# Altium PCB robot.PcbDoc (part 2 of 2)
Units mm, origin at the board's own origin, x right, y up, seen from the top; angles counter-clockwise.
Board outline 83.67 x 95.33 mm, 2 copper layers (Top Layer, Bottom Layer); 190 components, 199 nets, 607 pads, 102 vias.
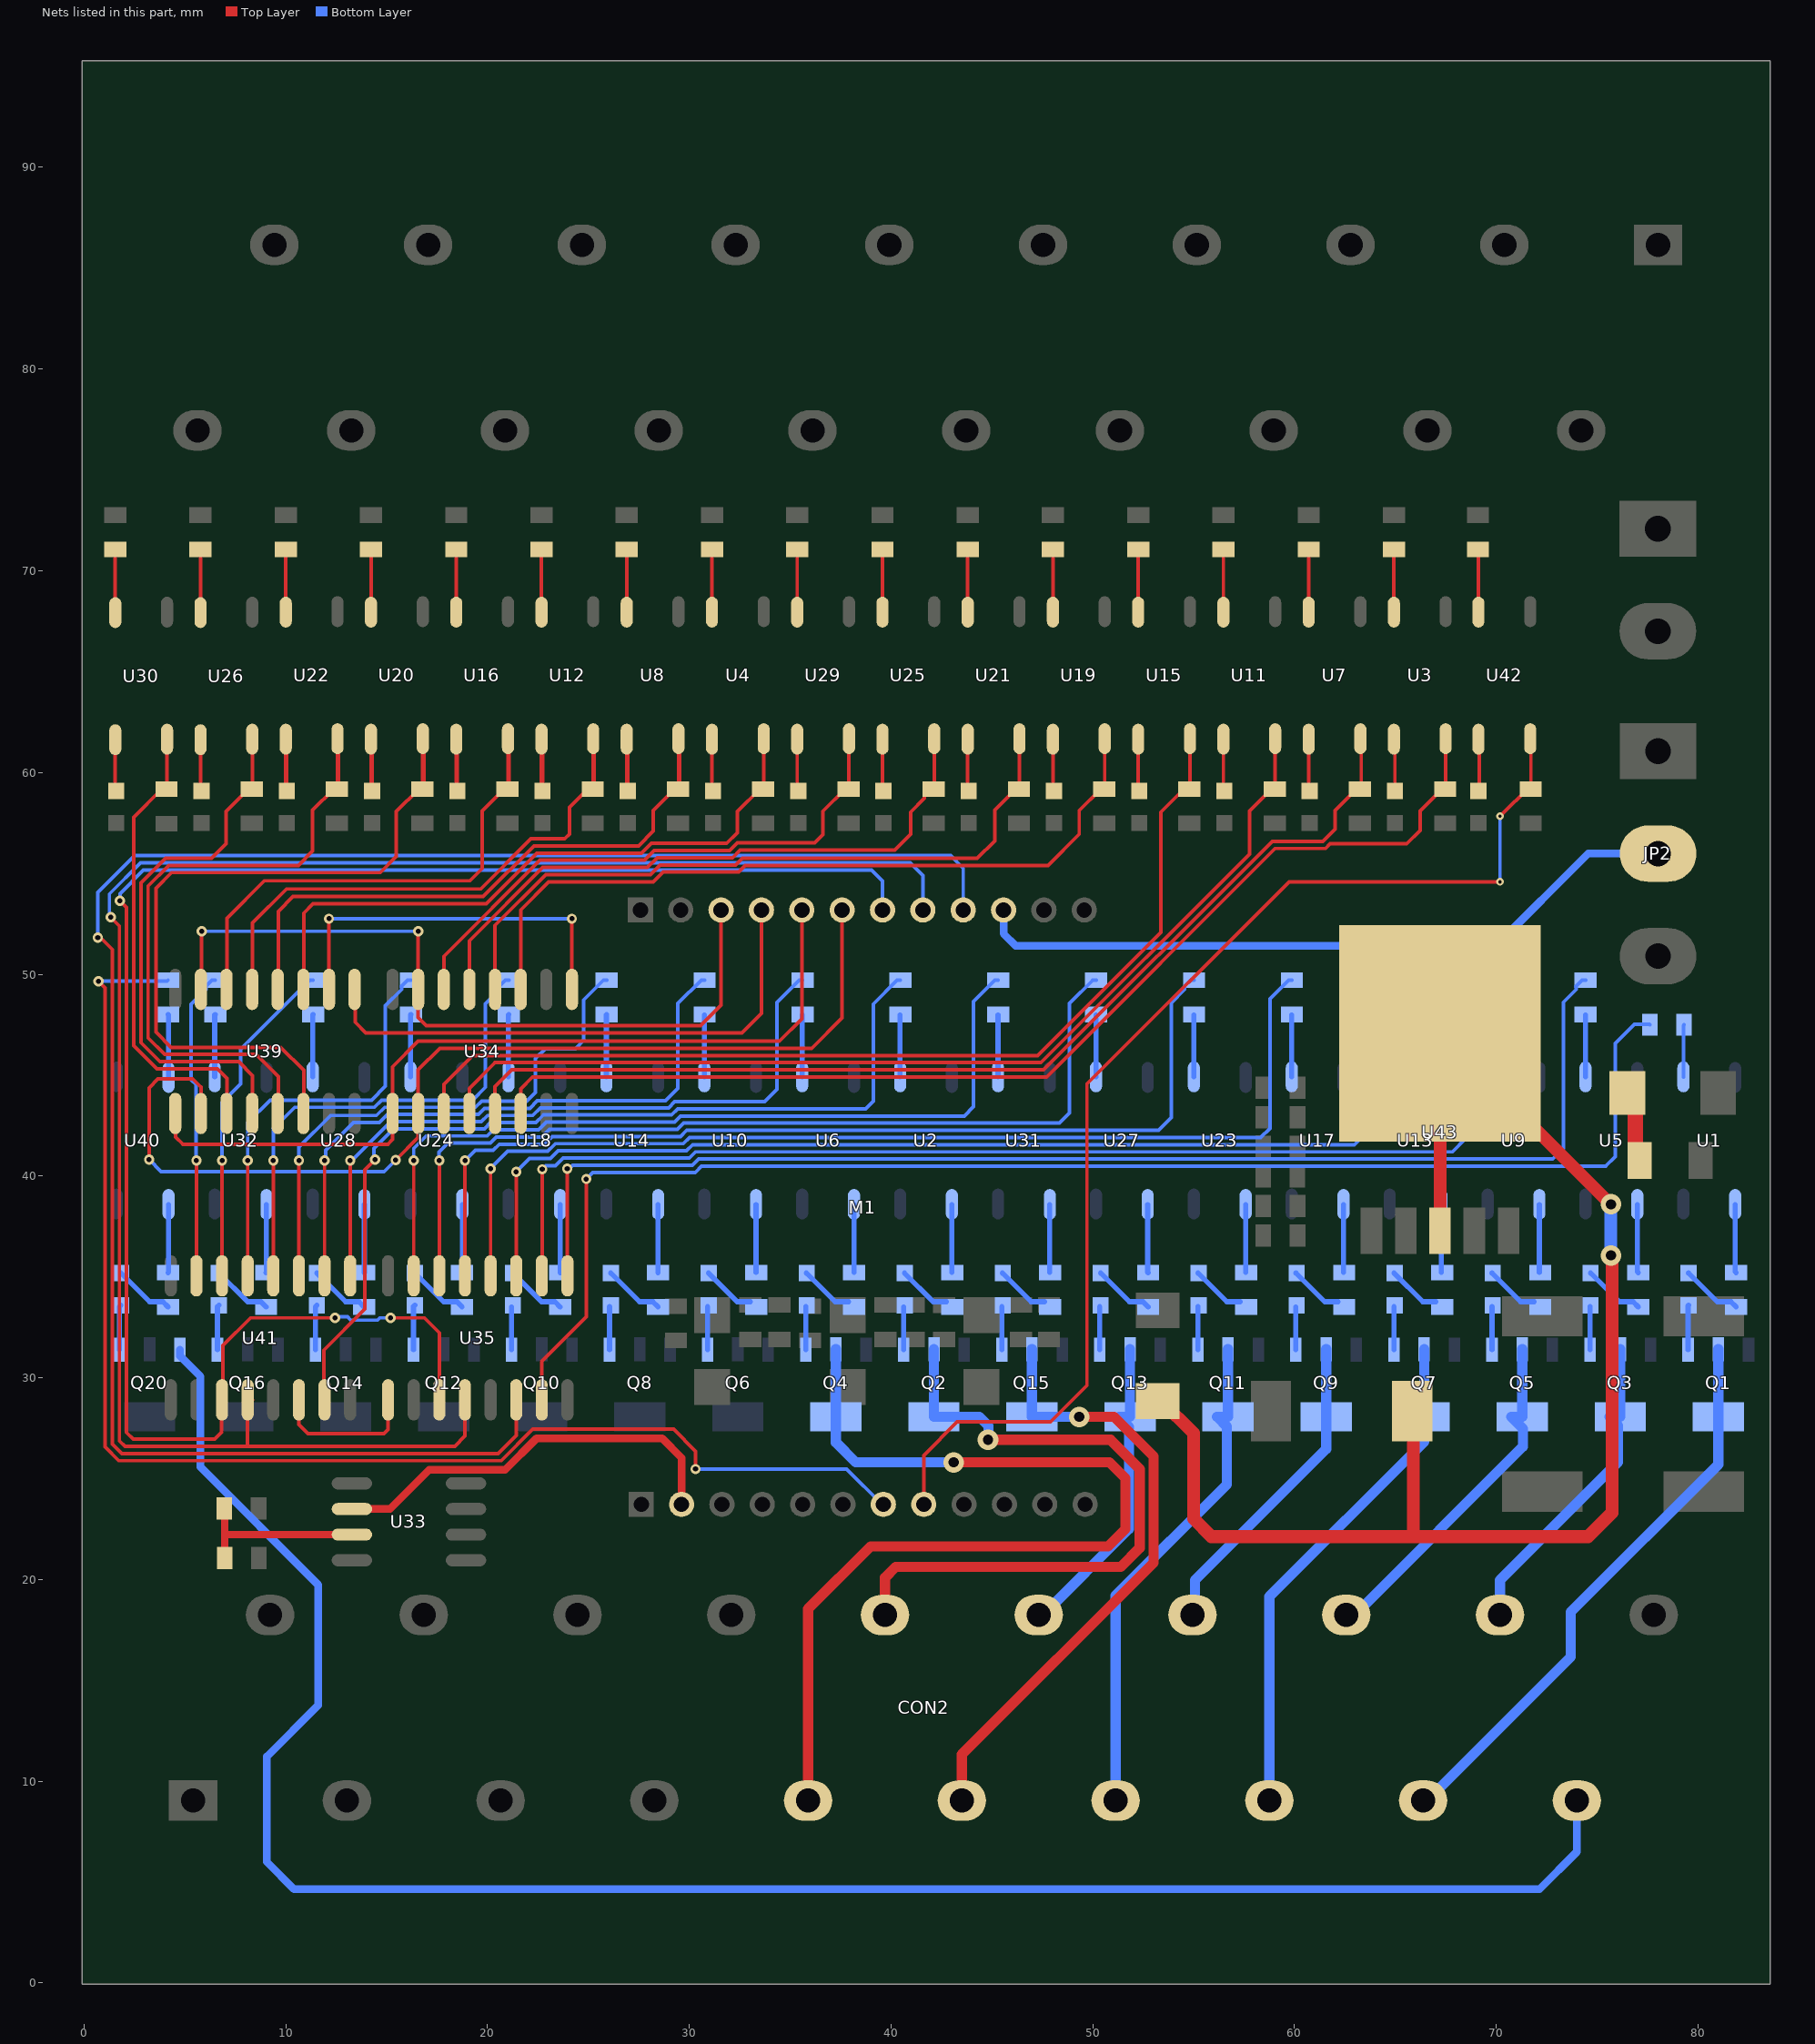
[diagram p2: the nets of this part, all layers, seen from the top]

## Via types
v1: diameter 0.508, hole 0.254, Top Layer to Bottom Layer, tented both sides, 91 vias
v2: diameter 1.016, hole 0.508, Top Layer to Bottom Layer, tented both sides, 8 vias
v3: diameter 0.381, hole 0.178, Top Layer to Bottom Layer, tented both sides, 2 vias
v4: diameter 0.762, hole 0.381, Top Layer to Bottom Layer, tented both sides, 1 vias

## Nets (pads, with @x,y where several pads share a name; then routed paths per layer and width w, separated by ;. In a path a pad name is that pad's centre, name@x,y a point inside that pad or via, vN(x,y) a via of type N, cw(c..) or ccw(c..) an arc to the next point about the centre after c; other vN are vias at no path point) (continued)
NetCON2_9: CON2.9 Q4.2 | length 49.1
  Top Layer w0.508: CON2.9@35.89,9.042 35.89,18.542 38.989,21.641 50.749,21.641 51.613,22.504 51.613,25.019 50.825,25.806 v2(43.104,25.806)
  Bottom Layer w0.508: Q4.2@37.267,31.42 Q4.2@37.267,28.062 37.267,26.792 38.252,25.806 v2(43.104,25.806)
NetCON2_10: CON2.10 Q2.2 | length 34
  Top Layer w0.508: CON2.10@39.7,18.242 39.7,20.091 40.234,20.625 51.384,20.625 52.324,21.565 52.324,25.476 50.876,26.924 v2(44.806,26.924)
  Bottom Layer w0.508: Q2.2@42.126,31.42 Q2.2@42.126,28.062 44.379,28.062 44.831,27.61 v2@44.831,26.949
NetCON2_11: CON2.11 Q15.2 | length 31.2
  Top Layer w0.508: CON2.11@43.51,9.042 43.51,11.328 53.01,20.828 53.01,26.096 51.044,28.062 v2(49.327,28.062)
  Bottom Layer w0.508: Q15.2@46.985,31.42 Q15.2@46.985,28.062 v2(49.327,28.062)
NetCON2_12: CON2.12 Q13.2 | length 15.9
  Bottom Layer w0.508: CON2.12@47.32,18.242 47.52,18.242 51.791,22.513 51.791,27.573 51.302,28.062 Q13.2@51.845,28.062 Q13.2@51.845,31.42
NetCON2_13: CON2.13 Q11.2 | length 25.4
  Bottom Layer w0.508: CON2.13@51.13,9.042 51.13,19.202 56.642,24.714 56.642,27.581 56.161,28.062 Q11.2@56.704,28.062 Q11.2@56.704,31.42
NetCON2_14: CON2.14 Q9.2 | length 15.9
  Bottom Layer w0.508: CON2.14@54.94,18.242 55.067,18.369 55.067,19.964 61.563,26.46 Q9.2@61.563,28.062 Q9.2@61.563,31.42
NetCON2_15: CON2.15 Q7.2 | length 25.6
  Bottom Layer w0.508: CON2.15@58.75,9.042 58.75,19.152 66.423,26.824 Q7.2@66.423,28.062 Q7.2@66.423,31.42
NetCON2_16: CON2.16 Q5.2 | length 17.8
  Bottom Layer w0.508: CON2.16@62.56,18.242 62.972,18.242 71.323,26.594 71.323,27.477 70.739,28.062 Q5.2@71.282,28.062 Q5.2@71.282,31.42
NetCON2_17: CON2.17 Q1.2 | length 28.6
  Bottom Layer w0.508: CON2.17@66.37,9.042 66.57,9.042 73.685,16.158 73.685,18.39 81.001,25.705 Q1.2@81.001,28.062 Q1.2@81.001,31.42
NetCON2_18: CON2.18 Q3.2 | length 16.3
  Bottom Layer w0.508: CON2.18@70.18,18.242 70.18,19.964 76.022,25.806 76.022,27.638 75.598,28.062 Q3.2@76.141,28.062 Q3.2@76.141,31.42
NetCON2_19: CON2.19 Q20.3 | length 98.1
  Bottom Layer w0.381: Q20.3@4.75,31.394 4.75,31.08 5.766,30.064 5.766,25.578 11.608,19.736 11.608,13.767 9.068,11.227 9.068,5.994 10.414,4.648 72.136,4.648 73.99,6.502 CON2.19@73.99,9.042
NetD1_2: D1.2 F1.1 | length 3.6
  Top Layer w0.762: D1.2@76.49,44.12 76.889,43.721 76.889,40.986 F1.1@77.108,40.767
NetD2_2: D2.2 L38.1 U43.3 | length 71.8
  Top Layer w0.635: D2.2@53.213,28.84 53.404,28.84 54.991,27.252 54.991,23.012 55.88,22.123 65.888,22.123 ; L38.1@65.888,28.778 65.888,22.123 ; U43.3@67.208,37.287 U43.3@67.208,47.066 v2(75.679,38.595) ; v2@75.743,35.839 75.743,23.317 74.549,22.123 65.888,22.123
  Bottom Layer w0.635: v2(75.679,36.068) v2(75.679,38.595)
NetJP2_2: JP2.2 M1.22 | length 35.8
  Bottom Layer w0.381: M1.22@45.576,53.188 45.576,52.011 46.177,51.41 69.977,51.41 74.549,55.982 JP2.2@78.015,55.982
NetL1_1: L1.1 R5.1 | length 3.1
  Bottom Layer w0.254: L1.1@79.527,35.192 80.952,33.768 81.631,33.768 R5.1@81.889,33.509
NetL1_2: L1.2 Q1.1 | length 2.2
  Bottom Layer w0.254: Q1.1@79.502,31.394 79.502,33.566 L1.2@79.527,33.592
NetL2_1: L2.1 R6.1 | length 2.7
  Bottom Layer w0.254: L2.1@40.662,35.192 42.086,33.768 R6.1@42.745,33.768
NetL2_2: L2.2 Q2.1 | length 2.1
  Bottom Layer w0.254: Q2.1@40.627,31.394 L2.2@40.627,33.516
NetL3_1: L3.1 U3.3 | length 2.5
  Top Layer w0.178: L3.1@64.973,59.093 U3.3@64.973,61.603
NetL4_1: L4.1 U4.3 | length 2.6
  Top Layer w0.178: U4.3@31.123,61.653 31.123,59.144 L4.1@31.174,59.093
NetL5_1: L5.1 R11.1 | length 3.1
  Bottom Layer w0.254: L5.1@74.671,35.192 76.095,33.768 76.773,33.768 R11.1@77.032,33.509
NetL5_2: L5.2 Q3.1 | length 2.1
  Bottom Layer w0.254: Q3.1@74.643,31.394 L5.2@74.643,33.525
NetL6_1: L6.1 R12.1 | length 2.7
  Bottom Layer w0.254: L6.1@35.806,35.192 37.23,33.768 R12.1@37.887,33.768
NetL6_2: L6.2 Q4.1 | length 2.1
  Bottom Layer w0.254: Q4.1@35.768,31.394 L6.2@35.768,33.525
NetL7_1: L7.1 U7.3 | length 2.6
  Top Layer w0.178: U7.3@60.698,61.653 60.698,59.144 L7.1@60.748,59.093
NetL8_1: L8.1 U8.3 | length 5.2
  Top Layer w0.178: U8.3@26.899,61.653 26.899,59.144 L8.1@26.949,59.093 ; U8.3@26.949,61.603 L8.1@26.949,59.093 ; L8.1@27,59.042 L8.1@26.949,59.093
NetL9_1: L9.1 R21.1 | length 2.7
  Bottom Layer w0.254: L9.1@69.783,35.192 71.207,33.768 R21.1@71.868,33.768
NetL9_2: L9.2 Q5.1 | length 2.1
  Bottom Layer w0.254: Q5.1@69.783,31.394 L9.2@69.783,33.522
NetL10_1: L10.1 R22.1 | length 2.7
  Bottom Layer w0.254: L10.1@30.95,35.192 32.374,33.768 R22.1@33.029,33.768
NetL10_2: L10.2 Q6.1 | length 2.1
  Bottom Layer w0.254: Q6.1@30.909,31.394 L10.2@30.909,33.522
NetL11_1: L11.1 U11.3 | length 2.6
  Top Layer w0.178: U11.3@56.473,61.653 56.473,59.144 L11.1@56.523,59.093
NetL12_1: L12.1 U12.3 | length 5.2
  Top Layer w0.178: U12.3@22.674,61.653 22.674,59.144 L12.1@22.725,59.093 ; U12.3@22.725,61.603 L12.1@22.725,59.093 ; L12.1@22.775,59.042 L12.1@22.725,59.093
NetL13_1: L13.1 R29.1 | length 2.7
  Bottom Layer w0.254: L13.1@64.927,35.192 66.351,33.768 R29.1@67.01,33.768
NetL13_2: L13.2 Q7.1 | length 2.1
  Bottom Layer w0.254: Q7.1@64.924,31.394 L13.2@64.924,33.519
NetL14_1: L14.1 R30.1 | length 3
  Bottom Layer w0.254: L14.1@26.11,35.192 27.534,33.768 28.195,33.768 R30.1@28.454,33.509
NetL14_2: L14.2 Q8.1 | length 2.1
  Bottom Layer w0.254: Q8.1@26.049,31.394 L14.2@26.049,33.519
NetL15_1: L15.1 U15.3 | length 2.6
  Top Layer w0.178: U15.3@52.248,61.653 52.248,59.144 L15.1@52.299,59.093
NetL16_1: L16.1 U16.3 | length 5.2
  Top Layer w0.178: U16.3@18.449,61.653 18.449,59.144 L16.1@18.5,59.093 ; U16.3@18.5,61.603 L16.1@18.5,59.093 ; L16.1@18.55,59.042 L16.1@18.5,59.093
NetL17_1: L17.1 R37.1 | length 2.7
  Bottom Layer w0.254: L17.1@60.071,35.192 61.495,33.768 R37.1@62.152,33.768
NetL17_2: L17.2 Q9.1 | length 2.1
  Bottom Layer w0.254: Q9.1@60.065,31.394 L17.2@60.065,33.516
NetL18_1: L18.1 R38.1 | length 3
  Bottom Layer w0.254: L18.1@21.253,35.192 22.678,33.768 23.338,33.768 R38.1@23.596,33.509
NetL18_2: L18.2 Q10.1 | length 2.1
  Bottom Layer w0.254: Q10.1@21.19,31.394 L18.2@21.19,33.516
NetL19_1: L19.1 U19.3 | length 2.6
  Top Layer w0.178: U19.3@48.023,61.653 48.023,59.144 L19.1@48.074,59.093
NetL20_1: L20.1 U20.3 | length 5.2
  Top Layer w0.178: U20.3@14.224,61.653 14.224,59.144 L20.1@14.275,59.093 ; U20.3@14.275,61.603 L20.1@14.275,59.093 ; L20.1@14.326,59.042 L20.1@14.275,59.093
NetL21_1: L21.1 U21.3 | length 2.6
  Top Layer w0.178: U21.3@43.798,61.653 43.798,59.144 L21.1@43.849,59.093
NetL22_1: L22.1 U22.3 | length 5.2
  Top Layer w0.178: U22.3@9.999,61.653 9.999,59.144 L22.1@10.05,59.093 ; U22.3@10.05,61.603 L22.1@10.05,59.093 ; L22.1@10.101,59.042 L22.1@10.05,59.093
NetL23_1: L23.1 R47.1 | length 2.7
  Bottom Layer w0.254: L23.1@55.215,35.192 56.639,33.768 R47.1@57.294,33.768
NetL23_2: L23.2 Q11.1 | length 2.1
  Bottom Layer w0.254: Q11.1@55.205,31.394 L23.2@55.205,33.525
NetL24_1: L24.1 R48.1 | length 3
  Bottom Layer w0.254: L24.1@16.397,35.192 17.821,33.768 18.48,33.768 R48.1@18.739,33.509
NetL24_2: L24.2 Q12.1 | length 2.2
  Bottom Layer w0.254: Q12.1@16.331,31.394 16.331,33.525 L24.2@16.397,33.592
NetL25_1: L25.1 U25.3 | length 2.6
  Top Layer w0.178: U25.3@39.573,61.653 39.573,59.144 L25.1@39.624,59.093
NetL26_1: L26.1 U26.3 | length 2.6
  Top Layer w0.178: U26.3@5.774,61.653 5.774,59.144 L26.1@5.825,59.093
NetL27_1: L27.1 R55.1 | length 3
  Bottom Layer w0.254: L27.1@50.39,35.192 51.815,33.768 52.484,33.768 R55.1@52.743,33.509
NetL27_2: L27.2 Q13.1 | length 2.1
  Bottom Layer w0.254: Q13.1@50.346,31.394 L27.2@50.346,33.522
NetL28_1: L28.1 R56.1 | length 3
  Bottom Layer w0.254: L28.1@11.541,35.192 12.965,33.768 13.622,33.768 R56.1@13.881,33.509
NetL28_2: L28.2 Q14.1 | length 2.2
  Bottom Layer w0.254: Q14.1@11.471,31.394 11.471,33.522 L28.2@11.541,33.592
NetL29_1: L29.1 U29.3 | length 2.6
  Top Layer w0.178: U29.3@35.348,61.653 35.348,59.144 L29.1@35.399,59.093
NetL30_1: L30.1 U30.3 | length 2.6
  Top Layer w0.178: U30.3@1.549,61.653 1.549,59.144 L30.1@1.6,59.093
NetL31_1: L31.1 R63.1 | length 2.7
  Bottom Layer w0.254: L31.1@45.518,35.192 46.942,33.768 R63.1@47.603,33.768
NetL31_2: L31.2 Q15.1 | length 2.1
  Bottom Layer w0.254: Q15.1@45.487,31.394 L31.2@45.487,33.519
NetL32_1: L32.1 R64.1 | length 3.5
  Bottom Layer w0.178: L32.1@6.685,35.192 L32.1@6.996,35.503
  Bottom Layer w0.254: L32.1@6.685,35.192 8.109,33.768 8.764,33.768 R64.1@9.023,33.509
NetL32_2: L32.2 Q16.1 | length 2.2
  Bottom Layer w0.254: Q16.1@6.612,31.394 6.612,33.519 L32.2@6.685,33.592
NetL36_1: L36.1 R72.1 | length 3
  Bottom Layer w0.254: L36.1@1.829,35.192 3.253,33.768 3.907,33.768 R72.1@4.165,33.509
NetL36_2: L36.2 Q20.1 | length 2.2
  Bottom Layer w0.254: Q20.1@1.753,31.394 1.753,33.516 L36.2@1.829,33.592
NetL37_1: L37.1 U42.3 | length 2.5
  Top Layer w0.178: L37.1@69.147,59.068 U42.3@69.147,61.577
NetM1_2: M1.2 U33.2 | length 20.5
  Top Layer w0.381: U33.2@13.277,23.495 15.164,23.495 17.102,25.433 20.868,25.433 22.428,26.993 28.658,26.993 29.617,26.034 M1.2@29.617,23.724
NetM1_7: M1.7 R71.2 | length 68.5
  Top Layer w0.178: v1(0.711,49.657) 1.041,49.327 1.041,26.574 1.724,25.89 20.678,25.89 22.238,27.45 29.217,27.45 30.31,26.357 v1(30.31,25.476) ; M1.7@39.617,23.463 M1.7@39.617,23.724
  Bottom Layer w0.178: v1(0.711,49.657) 4.115,49.657 R71.2@4.166,49.708 ; v1(30.31,25.476) 37.795,25.476 39.548,23.724 M1.7@39.617,23.724
NetM1_8: M1.8 R73.2 U42.4 | length 59.1
  Top Layer w0.178: M1.8@41.617,23.724 41.617,26.149 43.282,27.813 47.904,27.813 49.708,29.616 49.708,44.569 59.724,54.585 v3(70.18,54.585) ; 70.333,57.975 71.54,59.182 R73.2@71.704,59.182 ; R73.2@71.713,59.131 U42.4@71.713,61.603
  Bottom Layer w0.178: v3(70.18,54.585) v3(70.18,57.836)
NetM1_15: M1.15 U34.15 U39.15 | length 38.2
  Top Layer w0.178: U39.15@5.791,49.252 5.829,49.29 v1(5.829,52.133) ; v1@16.561,52.095 U34.15@16.561,49.252 16.561,47.854 16.967,47.447 30.556,47.447 31.576,48.467 M1.15@31.576,53.188
  Bottom Layer w0.178: v1(5.829,52.133) 16.523,52.133 v1@16.561,52.095
  other v1: 16.561,52.133
NetM1_16: M1.16 U39.9 | length 27.5
  Top Layer w0.178: U39.9@13.437,49.252 13.437,47.625 13.97,47.092 32.614,47.092 33.576,48.054 M1.16@33.576,53.188
NetM1_17: M1.17 U34.1 U39.1 | length 42.4
  Top Layer w0.178: U39.1@4.547,43.102 4.547,41.926 4.893,41.58 15.062,41.58 15.291,41.808 U34.1@15.291,43.102 15.291,45.415 16.561,46.685 34.468,46.685 35.576,47.793 M1.17@35.576,53.188
NetM1_18: M1.18 U34.2 U39.2 | length 53
  Top Layer w0.178: v1(3.226,40.818) 3.226,44.374 3.659,44.807 5.385,44.807 5.791,44.401 U39.2@5.791,43.102 U39.2@5.791,42.951 ; v1(15.446,40.792) 16.561,41.907 U34.2@16.561,43.102 16.561,45.263 17.628,46.33 36.068,46.33 37.576,47.837 M1.18@37.576,53.188
  Bottom Layer w0.178: v1(3.226,40.818) 3.823,40.221 14.874,40.221 v1(15.446,40.792)
NetM1_19: M1.19 U35.11 U41.11 | length 91
  Top Layer w0.178: v1(1.778,53.645) 2.108,53.315 2.108,27.287 2.438,26.957 6.467,26.957 6.815,27.305 U41.11@6.815,28.632 ; U41.11@6.883,28.953 6.883,31.598 8.255,32.969 v1(12.446,32.969) ; v1@15.189,32.817 15.342,32.969 16.866,32.969 17.611,32.224 U35.11@17.611,28.904 ; M1.19@39.576,53.188 M1.19@39.624,53.139
  Bottom Layer w0.178: v1(1.778,53.645) 1.778,54 2.946,55.169 39.04,55.169 39.576,54.633 M1.19@39.576,53.188 ; v1(12.446,32.969) 12.497,33.02 13.057,33.02 13.22,32.857 14.541,32.857 14.654,32.969 15.077,32.969 v1@15.189,32.857
  other v1: 15.189,32.969
NetM1_20: M1.20 U35.12 U41.12 | length 91.9
  Top Layer w0.178: v1(1.321,52.832) 1.753,52.4 1.753,26.878 2.029,26.602 8.103,26.602 ; U41.12@8.357,28.904 8.103,28.65 8.103,26.602 ; U35.12@18.881,28.904 18.881,27.11 18.372,26.602 8.103,26.602
  Bottom Layer w0.178: v1(1.321,52.832) 1.257,52.895 1.257,53.983 2.799,55.524 40.945,55.524 41.576,54.894 M1.20@41.576,53.188
NetM1_21: M1.21 U35.14 | length 96
  Top Layer w0.178: v1(0.686,51.816) 0.813,51.816 1.397,51.232 1.397,26.721 1.872,26.246 20.531,26.246 21.421,27.136 U35.14@21.421,28.904
  Bottom Layer w0.178: v1(0.686,51.816) 0.686,54.051 2.515,55.88 42.951,55.88 43.576,55.256 M1.21@43.576,53.188
NetR1_1: R1.1 U1.1 | length 2.6
  Bottom Layer w0.178: U1.1@79.273,44.915 79.273,47.463 R1.1@79.308,47.498
NetR1_2: R1.2 U35.15 | length 71.1
  Top Layer w0.178: U35.15@22.691,28.904 22.691,30.819 24.892,33.02 v1(24.892,39.853)
  Bottom Layer w0.178: v1(24.892,39.853) 25.22,40.181 30.298,40.181 30.605,40.488 75.413,40.488 75.895,40.97 75.895,46.584 76.835,47.523 77.581,47.523 R1.2@77.607,47.498
NetR2_1: R2.1 U2.1 | length 3.1
  Bottom Layer w0.254: U2.1@40.45,44.915 R2.1@40.45,47.985
NetR2_2: R2.2 U41.15 | length 45.9
  Top Layer w0.178: U41.15@11.887,28.953 11.887,31.369 13.919,33.401 13.919,40.308 v1(14.427,40.816)
  Bottom Layer w0.178: v1@14.376,40.742 14.376,41.377 15.341,42.342 19.842,42.342 20.147,42.647 22.387,42.647 22.767,43.026 29.12,43.026 29.426,43.332 38.735,43.332 39.116,43.713 39.116,48.526 40.298,49.708 R2.2@40.462,49.708
NetR3_2: R3.2 U3.4 U34.6 | length 56.2
  Top Layer w0.178: U34.6@21.641,43.102 21.641,44.323 22.225,44.907 47.711,44.907 59.04,56.236 61.539,56.236 61.768,56.464 65.557,56.464 66.218,57.125 66.218,58.102 67.298,59.182 R3.2@67.463,59.182 ; R3.2@67.488,59.157 U3.4@67.488,61.628
NetR4_2: R4.2 U4.4 U39.11 | length 32.2
  Top Layer w0.178: U39.11@10.897,49.252 10.897,53.035 11.354,53.492 19.929,53.492 22.443,56.007 27.63,56.007 28.113,56.49 31.852,56.49 32.385,57.023 32.385,58.068 33.499,59.182 R4.2@33.664,59.182 33.689,59.207 U4.4@33.689,61.679
NetR5_2: R5.2 U1.3 | length 3.4
  Bottom Layer w0.254: U1.3@81.839,38.59 81.839,35.261 R5.2@81.889,35.211
NetR6_2: R6.2 U2.3 | length 3.4
  Bottom Layer w0.254: R6.2@43.015,35.222 U2.3@43.015,38.59
NetR7_1: R7.1 U3.2 | length 3.1
  Top Layer w0.178: U3.2@64.922,67.953 R7.1@64.923,71.06
NetR8_1: R8.1 U4.2 | length 3.1
  Top Layer w0.178: U4.2@31.123,67.953 R8.1@31.124,71.06
NetR9_1: R9.1 U5.1 | length 3.1
  Bottom Layer w0.254: U5.1@74.42,44.915 R9.1@74.42,47.989
NetR9_2: R9.2 U35.1 | length 64
  Top Layer w0.178: v1(23.952,40.361) 23.956,40.356 23.956,35.058 U35.1@23.961,35.054
  Bottom Layer w0.178: v1(23.952,40.361) 24.042,40.361 24.217,40.536 30.151,40.536 30.457,40.843 72.796,40.843 73.33,41.377 73.33,48.616 73.961,49.247 73.961,49.411 74.258,49.708 R9.2@74.422,49.708
NetR10_1: R10.1 U6.1 | length 3.1
  Bottom Layer w0.254: U6.1@35.597,44.915 R10.1@35.597,47.984
NetR10_2: R10.2 U41.1 | length 34.4
  Top Layer w0.178: U41.1@13.191,35.054 v1(13.191,40.767)
  Bottom Layer w0.178: v1(13.191,40.767) 13.264,40.767 15.194,42.697 19.695,42.697 20,43.002 22.24,43.002 22.619,43.381 28.972,43.381 29.279,43.688 33.731,43.688 34.341,44.298 34.341,48.602 35.447,49.708 R10.2@35.611,49.708
NetR11_2: R11.2 U5.3 | length 3.4
  Bottom Layer w0.254: U5.3@76.986,38.59 76.986,35.257 R11.2@77.032,35.211
NetR12_2: R12.2 U6.3 | length 3.4
  Bottom Layer w0.254: R12.2@38.162,35.227 U6.3@38.162,38.59
NetR13_2: R13.2 U7.4 U34.5 | length 53.3
  Top Layer w0.178: U34.5@20.371,43.102 20.371,44.425 21.209,45.263 47.564,45.263 58.892,56.591 61.392,56.591 62.001,57.201 62.001,58.11 63.073,59.182 R13.2@63.238,59.182 ; R13.2@63.305,59.207 U7.4@63.305,61.679
NetR14_2: R14.2 U8.4 U39.12 | length 31.8
  Top Layer w0.178: U39.12@9.627,49.252 9.627,53.111 10.363,53.848 19.781,53.848 22.296,56.363 27.483,56.363 28.219,57.099 28.219,58.127 29.274,59.182 R14.2@29.439,59.182 29.464,59.207 U8.4@29.464,61.679 ; R14.2@29.515,59.157 U8.4@29.515,61.628
NetR15_1: R15.1 U7.2 | length 3.1
  Top Layer w0.178: U7.2@60.698,67.953 R15.1@60.698,71.06
NetR16_1: R16.1 U8.2 | length 3.1
  Top Layer w0.178: U8.2@26.899,67.953 R16.1@26.899,71.06
NetR17_1: R17.1 U9.1 | length 3.1
  Bottom Layer w0.254: U9.1@69.567,44.915 R17.1@69.567,47.987
NetR17_2: R17.2 U35.2 | length 60.1
  Top Layer w0.178: U35.2@22.691,35.054 22.631,35.113 22.708,35.189 v1(22.708,40.335)
  Bottom Layer w0.178: v1(22.708,40.335) 22.885,40.513 23.368,40.513 23.747,40.892 30.003,40.892 30.31,41.199 67.818,41.199 68.504,41.885 68.504,48.641 69.11,49.247 69.11,49.411 69.406,49.708 R17.2@69.571,49.708
NetR18_1: R18.1 U10.1 | length 3.1
  Bottom Layer w0.254: U10.1@30.744,44.915 R18.1@30.744,47.982
NetR18_2: R18.2 U41.2 | length 31
  Top Layer w0.178: U41.2@11.921,35.054 v1(11.921,40.767)
  Bottom Layer w0.178: v1(11.921,40.767) 11.984,40.83 11.984,41.271 13.36,42.647 14.64,42.647 15.047,43.053 19.548,43.053 19.853,43.358 22.093,43.358 22.472,43.737 28.825,43.737 29.439,44.35 29.439,48.551 30.595,49.708 R18.2@30.759,49.708
NetR19_2: R19.2 U11.4 U34.4 | length 51.1
  Top Layer w0.178: U34.4@19.101,43.102 19.101,44.348 20.371,45.618 47.417,45.618 57.76,55.961 57.76,58.093 58.849,59.182 R19.2@59.013,59.182 59.038,59.207 U11.4@59.038,61.679
NetR20_2: R20.2 U12.4 U39.13 | length 28.7
  Top Layer w0.178: U39.13@8.357,49.252 8.357,52.544 10.041,54.229 19.66,54.229 22.149,56.718 23.825,56.718 24.054,56.947 24.054,58.268 24.968,59.182 R20.2@25.214,59.182 ; R20.2@25.214,59.172 25.239,59.198 U12.4@25.239,61.679 ; R20.2@25.265,59.131 25.29,59.157 U12.4@25.29,61.628
NetR21_2: R21.2 U9.3 | length 3.4
  Bottom Layer w0.254: R21.2@72.133,35.217 U9.3@72.133,38.59
NetR22_2: R22.2 U10.3 | length 3.4
  Bottom Layer w0.254: R22.2@33.309,35.232 U10.3@33.309,38.59
NetR23_1: R23.1 U11.2 | length 3.1
  Top Layer w0.178: U11.2@56.473,67.953 R23.1@56.473,71.06
NetR24_1: R24.1 U12.2 | length 3.1
  Top Layer w0.178: U12.2@22.674,67.953 R24.1@22.674,71.06
NetR25_1: R25.1 U13.1 | length 3.1
  Bottom Layer w0.254: U13.1@64.714,44.915 R25.1@64.714,47.985
NetR25_2: R25.2 U35.3 | length 56.2
  Top Layer w0.178: U35.3@21.421,35.054 v1(21.421,40.208)
  Bottom Layer w0.178: v1(21.421,40.208) 22.081,40.869 23.124,40.869 23.503,41.248 29.856,41.248 30.163,41.554 62.967,41.554 63.602,42.189 63.602,48.59 64.258,49.247 64.258,49.411 64.555,49.708 R25.2@64.719,49.708
NetR26_1: R26.1 U14.1 | length 3.1
  Bottom Layer w0.254: U14.1@25.891,44.915 25.891,47.989 R26.1@25.908,48.006
NetR26_2: R26.2 U41.3 | length 27.2
  Top Layer w0.178: U41.3@10.651,35.054 v1(10.651,40.767)
  Bottom Layer w0.178: v1(10.651,40.767) 10.651,41.436 12.217,43.002 14.493,43.002 14.9,43.409 19.4,43.409 19.705,43.713 21.946,43.713 22.377,44.145 22.377,45.822 22.86,46.304 24.348,46.304 24.765,46.721 24.765,48.729 25.744,49.708 R26.2@25.908,49.708
NetR27_2: R27.2 U15.4 U34.3 | length 50.9
  Top Layer w0.178: U34.3@17.831,43.102 17.831,44.552 19.253,45.974 47.269,45.974 53.365,52.07 53.365,58.039 54.788,59.462 R27.2@54.788,59.182 54.813,59.207 U15.4@54.813,61.679
NetR28_2: R28.2 U16.4 U39.14 | length 26.8
  Top Layer w0.178: U39.14@7.087,49.252 7.087,52.781 8.941,54.635 19.126,54.635 19.736,55.245 19.736,58.093 20.825,59.182 R28.2@20.989,59.182 21.014,59.207 U16.4@21.014,61.679 ; R28.2@21.04,59.131 21.065,59.157 U16.4@21.065,61.628
NetR29_2: R29.2 U13.3 | length 3.4
  Bottom Layer w0.254: R29.2@67.28,35.222 U13.3@67.28,38.59
NetR30_2: R30.2 U14.3 | length 3.4
  Bottom Layer w0.254: R30.2@28.454,35.211 28.456,35.213 U14.3@28.456,38.59
NetR31_1: R31.1 U15.2 | length 3.1
  Top Layer w0.178: U15.2@52.248,67.953 R31.1@52.248,71.06
NetR32_1: R32.1 U16.2 | length 3.1
  Top Layer w0.178: U16.2@18.449,67.953 R32.1@18.449,71.06
NetR33_2: R33.2 U19.4 U34.11 | length 38.5
  Top Layer w0.178: U34.11@21.641,49.252 21.641,53.193 23.033,54.585 28.219,54.585 28.702,55.067 32.441,55.067 32.771,55.397 47.78,55.397 49.327,56.944 49.327,58.11 50.399,59.182 R33.2@50.563,59.182 50.588,59.207 U19.4@50.588,61.679
NetR34_2: R34.2 U20.4 U39.6 | length 38.9
  Top Layer w0.178: 3.569,47.13 4.318,46.38 9.754,46.38 10.897,45.237 U39.6@10.897,43.102 ; 3.569,47.155 3.569,54.267 4.343,55.042 14.679,55.042 15.482,55.845 15.482,58.064 16.6,59.182 R34.2@16.764,59.182 16.789,59.207 U20.4@16.789,61.679 ; R34.2@16.84,59.157 U20.4@16.84,61.628
NetR35_1: R35.1 U17.1 | length 3.1
  Bottom Layer w0.254: U17.1@59.861,44.915 R35.1@59.861,47.984
NetR35_2: R35.2 U35.4 | length 52.7
  Top Layer w0.178: U35.4@20.151,35.054 v1(20.151,40.361)
  Bottom Layer w0.178: v1(20.151,40.361) 20.142,40.369 20.997,41.224 22.977,41.224 23.356,41.603 29.709,41.603 30.016,41.91 58.318,41.91 58.776,42.367 58.776,48.78 59.704,49.708 R35.2@59.868,49.708
NetR36_1: R36.1 U18.1 | length 3.1
  Bottom Layer w0.254: U18.1@21.038,44.915 21.038,47.987 R36.1@21.057,48.006
NetR36_2: R36.2 U41.4 | length 24.5
  Top Layer w0.178: U41.4@9.381,35.054 v1(9.381,40.767)
  Bottom Layer w0.178: v1(9.381,40.767) 9.381,42.35 10.439,43.409 14.397,43.409 14.752,43.764 19.253,43.764 19.888,44.399 19.888,48.539 20.596,49.247 20.596,49.411 20.892,49.708 R36.2@21.057,49.708
NetR37_2: R37.2 U17.3 | length 3.4
  Bottom Layer w0.254: R37.2@62.427,35.227 U17.3@62.427,38.59
NetR38_2: R38.2 U18.3 | length 3.4
  Bottom Layer w0.254: R38.2@23.596,35.211 23.603,35.217 U18.3@23.603,38.59
NetR39_1: R39.1 U19.2 | length 3.1
  Top Layer w0.178: U19.2@48.023,67.953 R39.1@48.023,71.06
NetR40_1: R40.1 U20.2 | length 3.1
  Top Layer w0.178: U20.2@14.224,67.953 R40.1@14.224,71.06
NetR41_2: R41.2 U21.4 U34.12 | length 35.4
  Top Layer w0.178: U34.12@20.371,49.252 20.371,52.426 22.885,54.94 28.072,54.94 28.555,55.423 32.293,55.423 32.624,55.753 44.272,55.753 45.136,56.617 45.136,58.144 46.174,59.182 R41.2@46.338,59.182 ; R41.2@46.338,59.172 46.363,59.198 U21.4@46.363,61.679
NetR42_2: R42.2 U22.4 U39.5 | length 34.1
  Top Layer w0.178: U39.5@9.627,43.102 9.627,44.933 8.534,46.025 3.988,46.025 3.175,46.838 3.175,54.381 4.191,55.397 10.617,55.397 11.328,56.109 11.328,58.136 12.375,59.182 R42.2@12.539,59.182 12.565,59.207 U22.4@12.565,61.679 ; R42.2@12.615,59.147 U22.4@12.615,61.628
NetR43_1: R43.1 U23.1 | length 3.1
  Bottom Layer w0.254: U23.1@55.008,44.915 R43.1@55.008,47.982
NetR43_2: R43.2 U35.5 | length 49
  Top Layer w0.178: U35.5@18.872,35.062 U35.5@18.881,35.054 v1(18.881,40.767)
  Bottom Layer w0.178: v1(18.881,40.767) 19.389,41.275 20.284,41.275 20.589,41.58 22.829,41.58 23.208,41.959 29.562,41.959 29.868,42.266 53.264,42.266 53.899,42.901 53.899,48.59 54.555,49.247 54.555,49.411 54.852,49.708 R43.2@55.016,49.708
NetR44_1: R44.1 U24.1 | length 3.1
  Bottom Layer w0.254: U24.1@16.185,44.915 16.185,47.985 R44.1@16.205,48.006
NetR44_2: R44.2 U41.5 | length 21
  Top Layer w0.178: U41.5@8.111,35.054 v1(8.111,40.767)
  Bottom Layer w0.178: v1(8.111,40.767) 8.111,42.655 9.22,43.764 14.249,43.764 14.935,44.45 14.935,48.438 15.744,49.247 15.744,49.411 16.041,49.708 R44.2@16.205,49.708
NetR45_1: R45.1 U21.2 | length 3.1
  Top Layer w0.178: U21.2@43.798,67.953 R45.1@43.798,71.06
NetR46_1: R46.1 U22.2 | length 3.1
  Top Layer w0.178: U22.2@9.999,67.953 R46.1@9.999,71.06
NetR47_2: R47.2 U23.3 | length 3.4
  Bottom Layer w0.254: R47.2@57.574,35.232 U23.3@57.574,38.59
NetR48_2: R48.2 U24.3 | length 3.4
  Bottom Layer w0.254: R48.2@18.739,35.211 18.75,35.222 U24.3@18.75,38.59
NetR49_2: R49.2 U25.4 U34.13 | length 31.7
  Top Layer w0.178: U34.13@19.101,49.252 19.101,51.659 22.738,55.296 27.925,55.296 28.407,55.778 32.146,55.778 32.527,56.159 40.183,56.159 40.97,56.947 40.97,58.039 41.652,58.721 41.652,58.885 41.949,59.182 R49.2@42.113,59.182 ; R49.2@42.139,59.207 U25.4@42.139,61.679
NetR50_2: R50.2 U26.4 U39.4 | length 26.9
  Top Layer w0.178: U26.4@8.34,61.653 8.34,59.207 R50.2@8.314,59.182 8.15,59.182 7.044,58.076 7.044,56.473 6.325,55.753 4.044,55.753 2.819,54.529 2.819,46.609 3.759,45.669 7.671,45.669 8.357,44.983 U39.4@8.357,43.102
NetR51_1: R51.1 U27.1 | length 3.1
  Bottom Layer w0.254: U27.1@50.155,44.915 R51.1@50.155,47.989
NetR51_2: R51.2 U35.6 | length 45.4
  Top Layer w0.178: U35.6@17.611,35.054 v1(17.611,40.767)
  Bottom Layer w0.178: v1(17.611,40.767) 17.6,40.778 17.6,41.196 18.034,41.631 20.137,41.631 20.442,41.935 22.682,41.935 23.061,42.314 29.414,42.314 29.721,42.621 48.336,42.621 48.844,43.129 48.844,48.551 50.001,49.708 R51.2@50.165,49.708
NetR52_1: R52.1 U28.1 | length 3.1
  Bottom Layer w0.254: U28.1@11.332,44.915 11.332,47.984 R52.1@11.354,48.006
NetR52_2: R52.2 U41.6 | length 16.6
  Top Layer w0.178: U41.6@6.841,35.054 v1(6.841,40.767)
  Bottom Layer w0.178: v1(6.841,40.767) 6.841,43.646 7.761,44.565 7.761,46.279 11.19,49.708 R52.2@11.354,49.708
NetR53_1: R53.1 U25.2 | length 3.1
  Top Layer w0.178: U25.2@39.573,67.953 R53.1@39.573,71.06
NetR54_1: R54.1 U26.2 | length 3.1
  Top Layer w0.178: U26.2@5.774,67.953 R54.1@5.774,71.06
NetR55_2: R55.2 U27.3 | length 3.4
  Bottom Layer w0.254: U27.3@52.721,38.59 52.721,35.233 R55.2@52.743,35.211
NetR56_2: R56.2 U28.3 | length 3.4
  Bottom Layer w0.254: R56.2@13.881,35.211 13.897,35.227 U28.3@13.897,38.59
NetR57_2: R57.2 U29.4 U34.14 | length 28.3
  Top Layer w0.178: U34.14@17.831,49.252 17.831,50.892 22.591,55.651 27.777,55.651 28.26,56.134 31.999,56.134 32.38,56.515 36.22,56.515 36.627,56.921 36.627,58.085 37.724,59.182 R57.2@37.889,59.182 37.914,59.207 U29.4@37.914,61.679
NetR58_2: R58.2 U30.4 U39.3 | length 23.1
  Top Layer w0.178: U30.4@4.115,61.679 4.115,59.198 R58.2@4.09,59.172 3.851,59.172 2.464,57.785 2.464,49.215 2.464,46.462 3.612,45.314 6.604,45.314 7.087,44.831 U39.3@7.087,43.102
NetR59_1: R59.1 U31.1 | length 3.1
  Bottom Layer w0.254: U31.1@45.302,44.915 R59.1@45.302,47.987
NetR59_2: R59.2 U35.7 | length 41.8
  Top Layer w0.178: U35.7@16.341,35.054 v1(16.341,40.767)
  Bottom Layer w0.178: v1(16.341,40.767) 16.341,41.36 16.967,41.986 19.99,41.986 20.294,42.291 22.535,42.291 22.914,42.67 29.267,42.67 29.574,42.977 43.625,42.977 44.083,43.434 44.083,48.641 45.149,49.708 R59.2@45.314,49.708
NetR60_1: R60.1 U32.1 | length 3.1
  Bottom Layer w0.254: U32.1@6.479,44.915 6.479,47.982 R60.1@6.502,48.006
NetR60_2: R60.2 U41.7 | length 15.4
  Top Layer w0.178: U41.7@5.571,35.054 v1(5.571,40.767)
  Bottom Layer w0.178: v1(5.571,40.767) 5.563,40.776 5.563,44.516 5.309,44.77 5.309,48.514 6.041,49.247 6.041,49.411 6.338,49.708 R60.2@6.502,49.708
NetR61_1: R61.1 U29.2 | length 3.1
  Top Layer w0.178: U29.2@35.348,67.953 R61.1@35.349,71.06
NetR62_1: R62.1 U30.2 | length 3.1
  Top Layer w0.178: U30.2@1.549,67.953 R62.1@1.55,71.06
NetR63_2: R63.2 U31.3 | length 3.4
  Bottom Layer w0.254: R63.2@47.868,35.217 U31.3@47.868,38.59
NetR64_2: R64.2 U32.3 | length 3.4
  Bottom Layer w0.254: R64.2@9.023,35.211 9.044,35.232 U32.3@9.044,38.59
NetR67_1: R67.1 R68.2 U33.3 | length 8.8
  Top Layer w0.381: R68.2@6.969,21.057 6.972,21.06 6.972,22.225 ; R67.1@6.975,23.52 6.972,23.517 6.972,22.225 ; U33.3@13.277,22.225 6.972,22.225
NetR71_1: R71.1 U40.2 | length 3.1
  Bottom Layer w0.254: R71.1@4.166,48.006 4.191,47.981 U40.2@4.191,44.889
NetR72_2: R72.2 U40.3 | length 3.4
  Bottom Layer w0.254: R72.2@4.165,35.211 4.191,35.236 U40.3@4.191,38.59
NetR74_1: R74.1 U42.2 | length 3.1
  Top Layer w0.178: R74.1@69.088,71.06 69.113,71.034 U42.2@69.113,67.953
NetU34_9: U34.9 U39.10 | length 19
  Top Layer w0.178: U39.10@12.141,49.252 v1(12.141,52.756) ; U34.9@24.181,49.252 v1(24.181,52.756)
  Bottom Layer w0.178: v1(12.141,52.756) v1(24.181,52.756)
NetU35_9: U35.9 U41.14 | length 7.4
  Top Layer w0.178: U41.14@10.651,28.904 10.651,27.677 11.1,27.229 14.859,27.229 15.071,27.441 U35.9@15.071,28.904
pads on no net: M1.6 M1.9 M1.10 M1.11 U33.5 U33.6 U33.7 U34.7 U34.10 U39.7 U41.9

## Polygon pours and split planes (outlines as drawn)
GND on Bottom Layer "Bottom Layer-GND" (solid, pour order 10): -0.102,95.275 -0.102,-0.102 83.464,-0.102 83.541,-0.025 83.541,95.275
GND on Top Layer "Top Layer-GND" (solid, pour order 8): -0.051,-0.051 0,0 83.515,0 83.566,0.051 83.566,95.25 -0.051,95.25 -0.102,95.301

## Keep-outs
Keep-Out Layer:
  lines w0.254: -0.152,-0.051 -0.152,95.275 ; -0.102,-0.051 83.566,-0.051 83.566,95.275 -0.102,95.275

## Silkscreen, mask and mechanical layers (free items; w line width, h text height)
Bottom Overlay:
  region: 62.097,61.514 62.1,63.317 61.752,63.315 61.755,61.509
  region: 57.924,65.146 57.922,63.343 58.27,63.345 58.267,65.151
  region: 58.176,61.26 59.979,61.257 59.977,61.605 58.171,61.603
  region: 61.864,65.441 60.035,65.441 60.058,65.098 61.869,65.098
  region: 60.601,63.249 61.755,62.095 61.755,61.509 60.093,61.514 60.115,62.875 60.35,62.997 60.418,63.243
  region: 59.91,62.756 58.757,61.603 58.171,61.603 58.176,63.264 59.537,63.242 59.659,63.007 59.905,62.939
  region: 59.42,63.411 58.267,64.564 58.267,65.151 59.928,65.146 59.928,63.784 59.672,63.663 59.604,63.417
  region: 60.114,63.944 61.282,65.098 61.869,65.098 61.869,63.431 60.502,63.431 60.38,63.693 60.134,63.761
  region: 62.097,61.514 62.097,59.51 60.093,61.514
  region: 57.924,65.146 57.924,67.15 59.928,65.146
  region: 61.864,65.441 63.868,65.441 61.864,63.436
  region: 58.176,61.26 56.172,61.26 58.176,63.264
  lines w0.025: 59.6,63.439 56.705,63.284 59.605,63.241 ; 59.905,62.939 60.06,60.041 60.104,62.934 ; 59.921,63.763 59.964,66.629 60.117,63.766 ; 60.44,63.439 63.306,63.396 60.443,63.242
  lines w0.127: 59.555,63.477 cw(c59.969,63.398) 59.871,63.809 ; 59.556,63.197 ccw(c59.966,63.298) 59.867,62.888 ; 60.159,62.893 ccw(c60.061,63.303) 60.47,63.198 ; 60.166,63.802 cw(c60.069,63.392) 60.479,63.49
  lines w0.15: 48.712,60.927 59.634,60.927 ; 48.712,65.385 57.536,65.385
  text "RTC Technology Viet Nam .,jsc" at 46.443,63.619 h1.2
  text "R T C" at 55.57,62.337 h3.81
  text "Technology" at 55.697,61.321 h1.52
  text "I/O Board - V1.0" at 46.57,60.444 h1